# Altium PCB nanoga_mezzanine.PcbDoc (part 2 of 3) (continued)
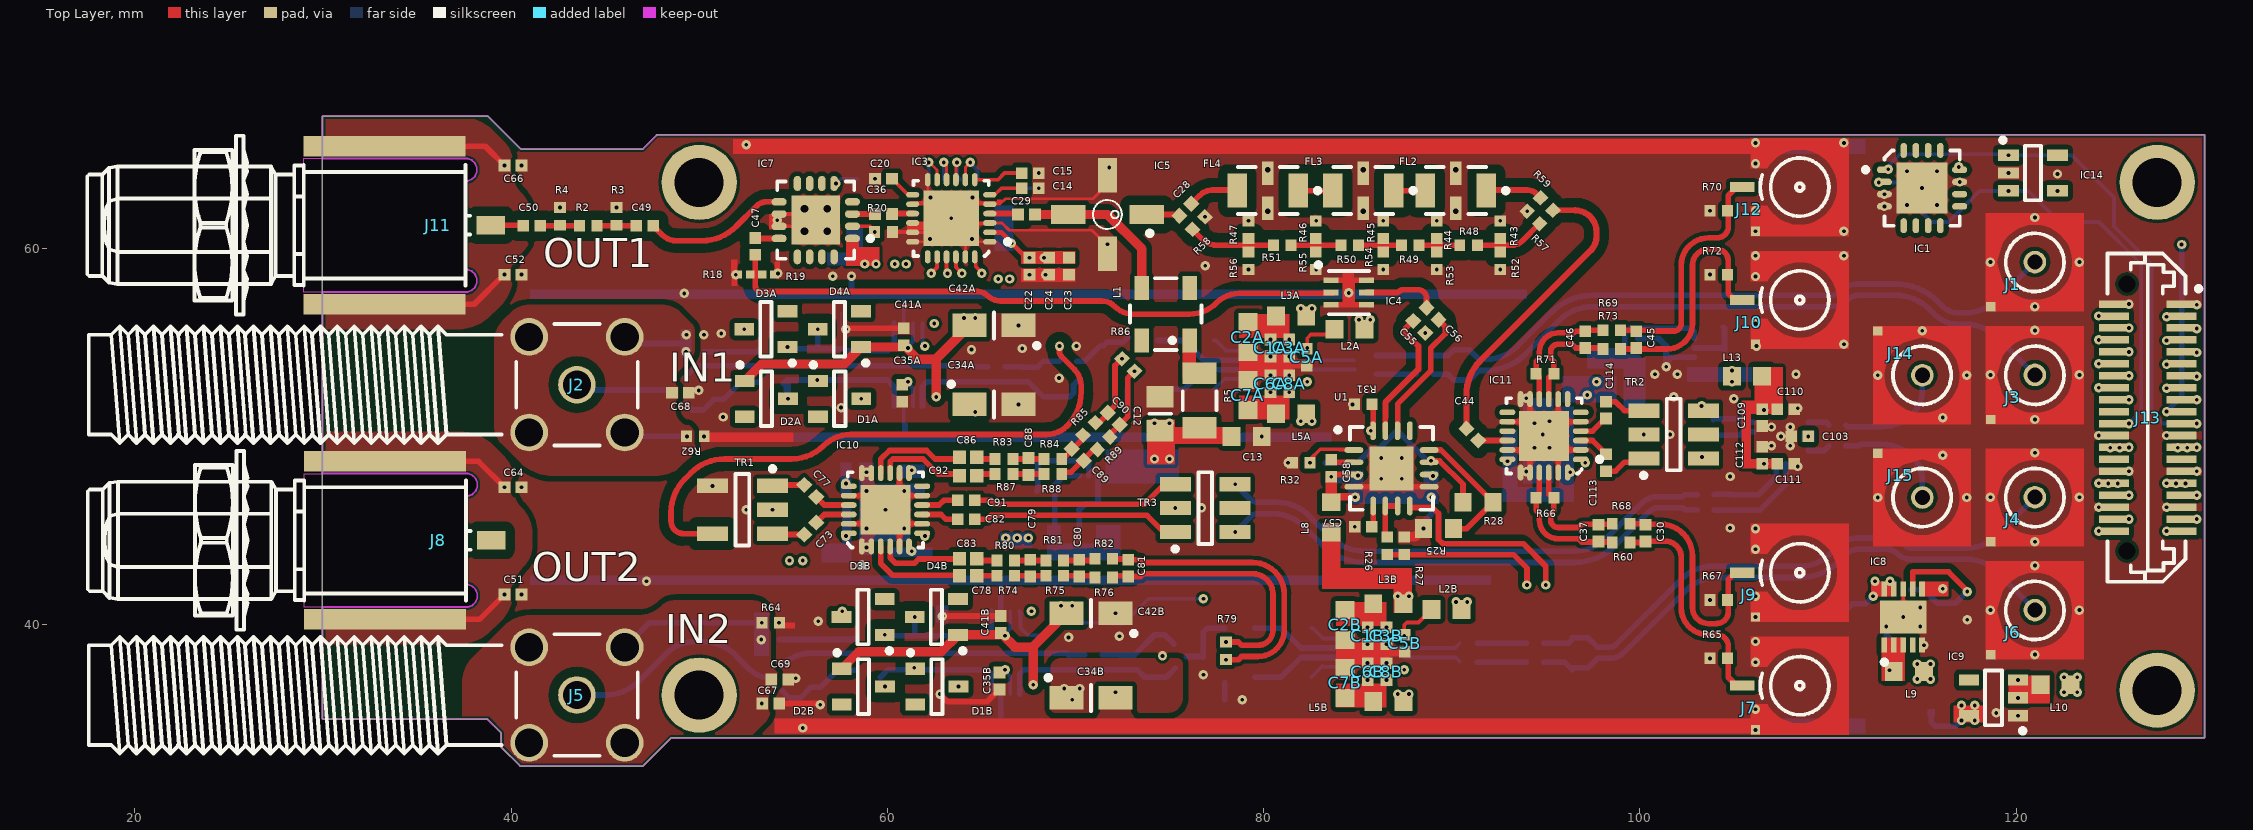
[diagram p0: Top Layer view]
## Nets (pads, with @x,y where several pads share a name; then routed paths per layer and width w, separated by ;. In a path a pad name is that pad's centre, name@x,y a point inside that pad or via, vN(x,y) a via of type N, cw(c..) or ccw(c..) an arc to the next point about the centre after c; other vN are vias at no path point) (continued)
  Bottom Layer w0.33: IC15.11@70.2,46.1 70.5,46.4 IC15.11@71.2,46.4 71.2,47.3 ; v1(88.5,45.1) 88.464,45.136 88.464,45.419 C59.1@88.915,45.871 ; IC12.11@101,55.2 101.4,54.8 IC12.11@101.4,53.9 ; IC12.11@101.4,53.8 IC12.11@101.4,53.9 ; IC12.11@101.7,54.2 IC12.11@101.4,53.9
  other v1: 106.15,34.4 55.5,34.5 120.1,35.15 118.95,35.3 106.15,35.5 78.87,36 55.134,37.147 76.8,37.33 85.53,37.95 86.53,37.95 106.15,38 103.73,38.2 74.628,38.332 121,38.4 115.1,38.9 85.53,38.95 86.53,38.95 106.15,39.1 69.636,39.316 72.336,39.371 114.9,39.9 54.24,40.1 56.33,40.17 117.4,40.25 106.15,40.4 72.13,40.6 118.633,40.767 123.367,40.767 114.9,40.9 103.73,41.3 106.15,41.5 40.55,41.6 47.2,42.3 121,43.133 106.15,44 58.9,44.1 121,44.4 58.9,45.1 60.9,45.1 106.15,45.1 104.8,45.13 84.85,45.2 52.5,46.1 76.7,46.2 124.4,46.238 128,46.238 112.65,46.75 117.383,46.75 118.633,46.767 123.367,46.767 58.9,47.1 60.9,47.1 40.55,47.3 50.71,47.37 86.25,47.75 104.8,47.87 58.9,48.1 93.96,48.13 126,48.143 129.6,48.143 108.4,48.4 81.3,48.6 86.25,48.85 87.35,48.85 116.1,49 121,49.133 94.4,49.4 95.2,49.4 107,49.5 108,49.5 50.25,50 79.9,50 107.5,50 124.4,50.048 128,50.048 101.6,50.1 107,50.5 108,50.5 94.4,50.7 95.2,50.8 121,50.9 116.1,51 51.27,51.03 108.4,51.5 57.541,51.53 66.97,51.7 84.73,51.7 105,52 93.96,52.03 101.8,52.1 49.974,52.447 69.13,53.1 80.37,53.25 81.37,53.25 112.65,53.25 117.383,53.25 118.633,53.267 123.367,53.267 100.8,53.3 102,53.3 108.3,53.3 101.4,53.7 80.37,54.25 81.37,54.25 64.476,54.616 67.176,54.671 70.05,54.8 106.2,54.8 110.85,54.9 50.25,55.4 51.17,55.47 88.6,55.5 115.017,55.617 121,55.633 66.97,55.9 106.15,56 121,56.9 129.6,57 126,57.033 49.2,57.6 84.525,57.625 106.15,58.5 57.097,58.515 40.555,58.6 51.945,58.597 67.558,58.595 68.408,58.595 103.73,58.6 54.185,58.665 79.197,58.87 82.797,58.87 86.363,58.87 89.2,58.87 92.575,58.87 76.897,59.065 118.633,59.267 123.367,59.267 106.15,59.6 110.85,59.6 71.697,60.21 62.272,60.495 64.497,60.495 106.15,60.9 110.85,60.9 79.197,61.46 82.797,61.46 86.363,61.46 89.2,61.46 92.575,61.46 54.147,61.495 121,61.633 76.883,61.674 94.011,61.974 103.73,62 106.15,62 42.6,62.165 45.6,62.165 113,62.225 114.2,62.3 115.8,62.3 113,62.875 115,63.2 117,63.525 59.347,63.695 122.2,63.95 68.047,63.995 119.6,64 114.2,64.1 115.8,64.1 71.797,64.295 40.55,64.4 106.15,64.5 52.5,65.5 106.15,65.6 110.85,65.6
  other v2: 80.222,61.96 85.297,61.96 90.222,61.96 80.222,64.17 85.297,64.17 90.222,64.17
  other v3: 55.597,60.895 56.797,60.895 55.597,62.095 56.797,62.095
IBB_N: C37.1 IC11.22 R66.1 R68.2 | length 6
  Top Layer w0.3: R66.1@95.16,46.92 IC11.22@95.16,48.08 ; R66.1@95.43,46.73 95.43,46.07 95.26,45.9 95.26,45.56 ccw(c95.66,45.56) 95.66,45.16 96.734,45.16 96.904,45.33 98.504,45.33 R68.2@98.534,45.36
IBB_P: C37.2 IC11.21 R60.2 R66.2 | length 7
  Top Layer w0.3: R66.2@94.49,46.73 94.49,46.07 94.66,45.9 94.66,45.56 ccw(c95.66,45.56) 95.66,44.56 96.74,44.56 96.904,44.396 96.904,44.39 98.504,44.39 R60.2@98.534,44.36 ; R66.2@94.66,46.9 IC11.21@94.66,48.08
IH_N: R13B.1 R24B.2 R96.2 | length 0.9
  Bottom Layer w0.3: R24B.2@77.93,36 R13B.1@77.93,36.9
IH_P: R8B.1 R9B.1 R16B.2 R93.2 | length 3.4
  Bottom Layer w0.3: R8B.1@75.895,38.3 R16B.2@76.8,38.3 ; R16B.2@76.8,38.27 R16B.2@76.8,38.3 ; R93.2@77.93,39.8 77,39.8 76.8,39.6 R16B.2@76.8,38.3
IHI_N: C81.1 R79.1 R82.2 R96.1 | length 15.9
  Top Layer w0.3: R82.2@72.055,43.485 C81.1@72.8,43.485 ; C81.1@72.8,43.45 73.46,43.45 73.61,43.3 79.405,43.3 cw(c79.405,41.605) 81.1,41.605 81.1,39.7 cw(c79.7,39.7) 79.7,38.3 78.83,38.3 78.66,38.13 v1(78,38.13)
IHI_P: C81.2 R76.2 R79.2 R93.1 | length 14.1
  Top Layer w0.3: R76.2@71.97,42.6 C81.2@72.8,42.6 ; C81.2@72.8,42.55 73.46,42.55 73.61,42.7 79.405,42.7 cw(c79.405,41.605) 80.5,41.605 80.5,39.7 cw(c79.7,39.7) 79.7,38.9 78.83,38.9 78.66,39.07 v1(78,39.07)
LO0_N: C105.2 TR2.6
  other v1: 103.3,48.9
LO0_P: C102.2 TR2.4
  other v1: 103.282,51.618
LO1_N: C108.2 TR3.6 | length 26.9
  Bottom Layer w0.3: v1(78.49,44.92) 79.291,45.72 cw(c79.7,45.311) 79.7,45.89 80.486,45.89 cw(c80.486,43.534) 82.151,45.2 83.132,44.22 ccw(c85.352,46.44) 85.352,43.3 96.499,43.3 ccw(c96.499,46.44) 98.72,44.22 100.5,46 cw(c100.983,45.517) 100.983,46.2 102.29,46.2 102.39,46.1 C108.2@103.05,46.1
LO1_P: C107.2 TR3.4 | length 27.1
  Bottom Layer w0.3: v1(78.49,47.46) 79.291,46.66 ccw(c79.7,47.069) 79.7,46.49 80.734,46.49 cw(c80.734,44.134) 82.268,45.922 ; 82.4,45.8 ccw(c80.734,44.134) 82.268,45.922 ; C107.2@103.05,46.9 102.39,46.9 102.29,46.8 100.983,46.8 ccw(c100.983,45.517) 100.076,46.424 98.295,44.644 cw(c96.499,46.44) 96.499,43.9 85.352,43.9 cw(c85.352,46.44) 83.556,44.644 82.42,45.78 ccw(c80.199,43.56) 82.268,45.922
LO_TRO_N: C114.1 TR2.3 | length 2.2
  Top Layer w0.3: C114.1@98.2,51.85 98.71,51.85 98.71,51.845 99.185,51.37 TR2.3@100.21,51.37
LO_TRO_P: C113.1 TR2.1 | length 2.2
  Top Layer w0.3: C113.1@98.2,48.15 98.71,48.15 98.71,48.155 99.185,48.63 TR2.1@100.21,48.63
LOI_DEMOD_N: C91.2 IC10.10 | length 2
  Top Layer w0.3: IC10.10@61.85,46.35 62.75,46.35 63,46.6 C91.2@63.75,46.6
LOI_DEMOD_P: C82.2 IC10.9 | length 2
  Top Layer w0.3: IC10.9@61.85,45.85 62.85,45.85 63.1,45.6 C82.2@63.75,45.6
LOI_N: C106.2 IC13.4 | length 1.2
  Bottom Layer w0.3: IC13.4@108.95,49.25 109.8,49.25 C106.2@110.05,49.5
LOI_P: C104.2 IC13.1 | length 1.2
  Bottom Layer w0.3: IC13.1@108.95,50.75 109.9,50.75 C104.2@110.05,50.6
LOIMOD_N: C114.2 IC11.4 | length 1.5
  Top Layer w0.3: IC11.4@96.86,50.28 97.484,50.28 98.1,50.896 C114.2@98.1,50.95
LOIMOD_P: C113.2 IC11.3 | length 1.5
  Top Layer w0.3: IC11.3@96.86,49.78 97.484,49.78 C113.2@98.1,49.164
LOITR_N: C91.1 TR3.3 | length 11.2
  Top Layer w0.3: C91.1@64.65,46.6 65.49,46.6 65.69,46.4 73.679,46.4 74.739,47.46 TR3.3@75.31,47.46
LOITR_P: C82.1 TR3.1 | length 11.3
  Top Layer w0.3: C82.1@64.65,45.6 65.31,45.6 65.51,45.8 73.8,45.8 74.9,44.7 75.09,44.7 TR3.1@75.31,44.92
LOM_N: C106.1 J15.1 R17.1 | length 6
  Bottom Layer w0.3: C106.1@110.95,49.5 111.67,49.5 R17.1@111.75,49.58 112.858,49.58 cw(c112.858,47.258) 114.5,48.9 cw(c113.253,47.653) 115.017,47.653 J15.1@115.017,46.85 ; J15.1@115,46.79 ccw(c115.056,46.79) J15.1@115.017,46.75
LOM_P: C104.1 J14.1 R17.2 | length 6
  Bottom Layer w0.3: C104.1@110.95,50.6 111.03,50.52 R17.2@111.75,50.52 112.858,50.52 ccw(c112.858,52.842) 114.5,51.2 ccw(c113.253,52.447) 115.017,52.447 J14.1@115.017,53.25 ccw(c115.056,53.21) J14.1@115,53.21
MEZZ_IO4: IC6A.5 J13.7 | length 70.7
  MidLayer2 w0.17: v1(62.5,56) 62.5,55.836 64.836,53.5 68.843,53.5 69.043,53.7 69.892,53.7 70.092,53.5 70.6,53.5 75.4,58.3 103.341,58.3 104.526,57.116 109.484,57.116 110.2,56.4 116.5,56.4 117.778,55.122 122.522,55.122 123.2,55.8 125.163,55.8 125.868,55.095 v1(128,55.095)
MEZZ_IO5: IC6A.4 J13.8 | length 68.3
  MidLayer2 w0.17: v1(62,54.8) 64.502,52.298 73.398,52.298 78.7,57.6 83.4,57.6 84.1,56.9 103.7,56.9 105.1,55.5 114.1,55.5 114.843,54.757 115.641,54.757 115.698,54.7 120.302,54.7 120.376,54.774 121.624,54.774 121.698,54.7 123,54.7 123.428,55.128 v1(124.4,55.128)
  Bottom Layer w0.2: v1@61.87,54.73 IC6A.4@61.87,56
MEZZ_IO8: IC6B.5 J13.11 | length 72.9
  MidLayer2 w0.17: v1(67.66,40.7) 68.495,41.535 73.13,41.535 73.465,41.2 75.944,41.2 77.101,42.357 91.198,42.357 92.433,41.122 101.932,41.122 103.167,42.357 111.277,42.357 112.125,43.205 117.555,43.205 118.114,42.646 125.946,42.646 126.9,43.6 126.9,52.725 v1(128,53.825)
MEZZ_IO9: IC10.7 J13.12 R78.1 | length 68.3
  MidLayer2 w0.17: v1(62,44.7) 65.2,47.9 76.1,47.9 78,46 98.9,46 104.313,51.413 105.313,51.413 106.3,52.4 114.191,52.4 114.526,52.065 123.065,52.065 124.4,53.4 v1(124.4,53.858)
MEZZ_IO10: IC6B.4 J13.13 | length 75.5
  MidLayer2 w0.17: v1(76.8,41.368) 76.8,41.4 77.435,42.035 91.065,42.035 92.3,40.8 102.065,40.8 103.3,42.035 111.478,42.035 112.278,42.835 113.522,42.835 113.527,42.83 117.12,42.83 117.626,42.324 126.224,42.324 127.3,43.4 127.3,50.104 127.778,50.583 128.383,50.583 129.065,51.265 129.065,52.665 129.59,53.19 v1(129.6,53.19)
  Bottom Layer w0.2: IC6B.4@67.03,40.7 67.08,40.65 67.08,39.826 67.476,39.43 68.232,39.43 68.902,40.1 71.852,40.1 71.902,40.05 72.55,40.05 73.868,41.368 v1(76.8,41.368)
MEZZ_IO11: J13.14
  other v1: 126,53.223
MEZZ_IO12: J13.15
  other v1: 128,52.555
MEZZ_IO13: J13.16
  other v1: 124.4,52.588
MEZZ_IO14: J13.17
  other v1: 129.6,51.953
MEZZ_IO15: J13.18
  other v1: 126,51.953
NetC1A_2: C1A.2 C2A.2 C3A.2 IC2A.5 IC2A.6 IC2A.7 IC2A.8 IC2A.12 L3A.1 | length 9.1
  MidLayer2 w0.5: v1(81.37,55.15) v1(80.37,55.15) 79.55,55.15 79.3,54.9 79.3,52.3 80,51.6 81.8,51.6 82.32,52.12 v1(82.32,52.9)
NetC1B_2: C1B.2 C2B.2 C3B.2 IC2B.5 IC2B.6 IC2B.7 IC2B.8 IC2B.12 L3B.1 | length 6.6
  MidLayer2 w0.5: v1(85.53,39.85) v1(86.53,39.85) 87.008,39.85 87.31,40.152 88.65,40.152 89.032,39.77 89.032,39.23 87.48,37.678 v1(87.48,37.6)
NetC4A_1: C4A.1 R21A.2 R42A.2 | length 2.1
  Bottom Layer w0.3: R21A.2@86,53.3 R42A.2@88.1,53.3
NetC4A_2: C4A.2 R10A.2 R40A.2 | length 2.1
  Bottom Layer w0.3: R10A.2@86,54.3 R40A.2@88.1,54.3
NetC4B_1: C4B.1 R21B.2 R42B.2 | length 2.6
  Bottom Layer w0.3: R21B.2@91.36,38 R42B.2@93.96,38
NetC4B_2: C4B.2 R10B.2 R40B.2 | length 2.6
  Bottom Layer w0.3: R10B.2@91.36,39 R40B.2@93.96,39
NetC5A_2: C5A.2 IC2A.9 L2A.2 | length 2.5
  Top Layer w0.2: C5A.2@82.32,54.8 82.32,55.22 82.51,55.41 83.61,55.41 83.77,55.57 L2A.2@83.77,55.7 L2A.2@83.77,56.1
  other v1: 82.32,54.7
NetC5B_2: C5B.2 IC2B.9 L2B.2 | length 2.3
  Top Layer w0.2: C5B.2@87.48,39.5 87.48,39.98 87.61,40.11 88.24,40.11 L2B.2@88.93,40.8
  other v1: 87.48,39.4
NetC6A_2: C6A.2 C7A.2 C8A.2 IC2A.13 IC2A.14 IC2A.15 IC2A.16 L5A.2
  other v1: 80.37,52.35 81.37,52.35
NetC6B_2: C6B.2 C7B.2 C8B.2 IC2B.13 IC2B.14 IC2B.15 IC2B.16 L5B.2
  other v1: 85.53,37.05 86.53,37.05
NetC9A_2: C9A.2 C31A.2 D1A.1 D2A.3 IC6A.10 R33A.2 | length 8.2
  Bottom Layer w0.3: R33A.2@54.47,52.8 R33A.2@54.67,53 ; v1(54.72,52) 54.72,52.8 54.72,52.95 R33A.2@54.67,53 ; IC6A.10@60.37,51.6 60.37,52.63 60,53 v1(56.27,53) R33A.2@54.67,53
NetC9B_2: C9B.2 C31B.2 D1B.1 D2B.3 IC6B.10 R33B.2 | length 7.2
  Bottom Layer w0.3: R33B.2@59.63,37.2 60.03,37.6 65.3,37.6 65.53,37.37 IC6B.10@65.53,36.3
  other v1: 59.88,36.7 61.43,37.7
NetC14_2: C14.2 IC3.6 | length 1.8
  Top Layer w0.2: IC3.6@65.447,62.845 65.714,62.845 66.064,63.195 C14.2@67.147,63.195
NetC15_2: C15.2 IC3.7 | length 2.6
  Top Layer w0.2: IC3.7@64.647,63.645 65.877,63.645 66.227,63.995 C15.2@67.147,63.995
NetC16_2: C16.2 IC3.8 | length 2.1
  Top Layer w0.152: IC3.8@64.147,63.645 64.147,64.308 v1(64.404,64.565)
  Bottom Layer w0.2: v1(64.404,64.565) 64.404,64.548 64.797,64.155 C16.2@64.797,63.645
NetC17_2: C17.2 IC3.9 | length 1.9
  Top Layer w0.152: IC3.9@63.647,63.645 v1@63.647,64.565
  Bottom Layer w0.2: v1(63.697,64.565) 63.697,63.845 C17.2@63.897,63.645
NetC18_2: C18.2 IC3.10 | length 1.9
  Top Layer w0.152: v1(62.997,64.565) 63.147,64.415 IC3.10@63.147,63.645
  Bottom Layer w0.2: C18.2@62.997,63.645 v1(62.997,64.565)
NetC19_2: C19.2 IC3.11 | length 2.1
  Top Layer w0.152: v1(62.197,64.565) 62.235,64.565 62.647,64.153 IC3.11@62.647,63.645
  Bottom Layer w0.2: C19.2@62.097,63.645 62.197,63.745 v1(62.197,64.565)
NetC20_2: C20.2 IC3.13 | length 1.5
  Top Layer w0.2: C20.2@60.247,63.695 61.097,62.845 IC3.13@61.347,62.845
NetC21_2: C21.2 C22.2 C23.2 C24.2 IC3.2 L7.2 | length 2.5
  Top Layer w0.254: IC3.2@65.447,60.845 66.047,60.845 C22.2@67.397,59.495
  other v1: 67.558,59.495 68.333,59.495 66.597,60.265
NetC25_2: C25.2 IC8.1 IC8.2 IC8.3 IC8.6 L9.2 | length 8.3
  MidLayer2 w0.17: v1(113.275,37.575) 113.325,37.575 114.335,36.565 115.672,36.565 116.1,36.993 v1(116.1,41.9)
NetC26_2: C26.2 IC8.7 R39.2 | length 7.8
  Top Layer w0.3: IC8.7@114.5,41.9 114.5,42.8 116.416,42.8 117.4,41.816 v1(117.4,41.75)
  Bottom Layer w0.3: R39.2@114.4,41.85 115.1,41.85 115.816,41.134 116.784,41.134 v1(117.4,41.75)
NetC27_2: C27.2 IC9.2 IC9.3 L10.2
  other v1: 120.1,36.1 120.1,37.05
NetC28_1: C28.1 FL4.3 | length 2.7
  Top Layer w0.3: C28.1@76.162,62.367 76.595,62.8 ; 76.596,62.8 cw(c77.307,62.088) 77.307,63.095 FL4.3@78.597,63.095
NetC28_2: C28.2 IC5.1 | length 2.1
  Top Layer w0.3: IC5.1@73.647,61.73 73.847,61.73 IC5.1@73.782,61.795 75.461,61.795 C28.2@75.526,61.73
NetC29_1: C29.1 IC5.3 L1.3 | length 8.5
  Top Layer w0.5: C29.1@67.847,61.795 IC5.3@69.612,61.795 71.705,61.795 73.53,59.97 L1.3@73.53,57.894
NetC29_2: C29.2 IC3.4 | length 1.4
  Top Layer w0.3: IC3.4@65.447,61.845 C29.2@66.897,61.845
NetC31A_1: C31A.1 C33A.2 D3A.1 D4A.3 IC6A.1 R36A.2 | length 8
  Bottom Layer w0.3: R36A.2@54.72,54.65 R36A.2@54.82,54.55 ; R36A.2@54.82,54.65 56.3,54.65 ; v1(56.3,55.7) 56.3,54.65 ; IC6A.1@60.37,56 60.37,54.9 60.02,54.55 57.77,54.55 57.67,54.65 56.3,54.65
  other v1: 54.7,54.75
NetC31B_1: C31B.1 C33B.2 D3B.1 D4B.3 IC6B.1 R36B.2 | length 7.9
  Bottom Layer w0.3: R36B.2@59.88,39.35 59.93,39.4 61.46,39.4 ; v1(61.46,40.4) 61.46,39.4 ; IC6B.1@65.53,40.7 65.53,39.6 65.33,39.4 61.46,39.4
  other v1: 59.86,39.45
NetC36_1: C36.1 IC3.15 | length 1.1
  Top Layer w0.3: C36.1@60.247,61.82 60.272,61.845 IC3.15@61.347,61.845
NetC36_2: C36.2 IC7.3 | length 1.2
  Top Layer w0.3: IC7.3@58.147,61.82 C36.2@59.347,61.82
NetC38_1: C38.1 C39.2 C40.2 IC7.1 L6.1
  other v1: 58.797,59.165 59.397,59.165
NetC44_1: C44.1 IC11.16 | length 1.4
  Top Layer w0.3: C44.1@91.61,49.78 IC11.16@92.96,49.78
  Top Layer w0.33: C44.1@91.56,49.73 C44.1@91.61,49.78
NetC47_1: C47.1 IC7.12 | length 1.3
  Top Layer w0.3: C47.1@52.975,60.547 53.002,60.52 IC7.12@54.247,60.52
NetC49_1: C49.1 IC7.9 | length 7.7
  Top Layer w0.3: C49.1@47.55,61.195 48.023,60.722 ccw(c48.8,61.499) 48.8,60.4 50.148,60.4 ccw(c50.148,62.94) 51.944,61.144 53.039,62.239 cw(c53.597,61.68) 53.597,62.47 IC7.9@54.247,62.47
NetC49_2: C49.2 R2.1 R3.2 | length 2.1
  Top Layer w0.3: R2.1@44.57,61.195 C49.2@46.65,61.195
NetC50_1: C50.1 R2.2 R4.2 | length 2.1
  Top Layer w0.3: C50.1@41.55,61.195 R2.2@43.63,61.195
NetC51_2: C51.2 C64.1 J8.2 R61.2 | length 13.8
  Top Layer w0.3: J8.2@33.3,40.274 38.324,40.274 v1(39.65,41.6) ; J8.2@33.3,48.674 38.276,48.674 v1(39.65,47.3)
NetC52_2: C52.2 C66.1 J11.2 R63.2 | length 13.8
  Top Layer w0.3: J11.2@33.275,57.025 38.04,57.025 C52.2@39.615,58.6 ; J11.2@33.275,65.425 38.625,65.425 v1(39.65,64.4)
  other v1: 39.65,58.6
NetC55_2: C55.2 U1.15 | length 7.1
  Top Layer w0.3: U1.15@86.475,50.3 86.475,51.012 ; C55.2@87.893,56.207 87.893,56.136 87.893,56.098 87.532,55.737 87.532,55.491 88.233,54.79
  Top Layer w0.33: 86.475,51.012 86.475,51.803 88.233,53.561 88.233,54.79
NetC56_1: C56.1 IC4.5 | length 4
  Top Layer w0.3: IC4.5@85.475,57.65 87.079,57.65 ccw(c87.079,57.821) 87.2,57.7 cw(c87.441,57.459) 87.441,57.8 88.2,57.8 cw(c88.2,57.336) 88.664,57.336 C56.1@88.664,56.836
NetC56_2: C56.2 U1.14 | length 7.2
  Top Layer w0.3: U1.14@87.125,50.3 87.125,51.725 88.883,53.483 88.883,53.825 88.883,54.683 89.672,55.472 89.672,55.828 C56.2@89.3,56.2 C56.2@89.229,56.271
NetC57_1: C57.1 U1.5 | length 1.1
  Top Layer w0.3: C57.1@85.75,45.2 ccw(c85.569,45.381) 85.825,45.381 U1.5@85.825,46.3
NetC58_1: C58.1 C59.2 C60.2 C61.1 C62.1 L8.1 U1.3 U1.10 | length 1.1
  Top Layer w0.3: C58.1@83.66,47.975 U1.3@84.8,47.975
  other v1: 84.865,46.771 88.915,46.771 83.6,47.85 89,47.9 85.015,47.921
NetC58_2: C58.2 U1.2 | length 1.2
  Top Layer w0.3: C58.2@83.6,48.65 ccw(c83.66,48.71) 83.66,48.625 U1.2@84.8,48.625
NetC74_2: C74.2 TR1.4 | length 31
  Top Layer w0.3: TR1.4@50.71,44.83 49.17,44.83 cw(c49.17,45.5) 48.5,45.5 48.5,45.948 cw(c51.04,45.948) 48.7,46.936 cw(c51.04,45.948) 49.244,47.744 49.556,48.056 cw(c51.352,46.26) 51.352,48.8 54.91,48.8 ccw(c54.91,51.19) 56.6,49.5 cw(c58.049,48.051) 58.049,50.1 68.455,50.1 ccw(c68.455,51.657) 69.556,50.556 ccw(c67.76,52.352) 70.3,52.352 70.3,52.7 ccw(c69.093,52.7) 69.946,53.554 69.256,54.244 cw(c69.512,54.5) 69.15,54.5 v1(69.15,54.8)
NetC75_1: C75.1 TR1.2
  other v1: 53.89,46.1
NetC78_1: C78.1 IC10.3 | length 5.6
  Top Layer w0.3: IC10.3@59.65,44.15 59.65,43.25 60.282,42.618 C78.1@63.822,42.618 ; C78.1@63.64,42.8 C78.1@63.822,42.618 ; C78.1@63.84,42.6 C78.1@63.822,42.618 ; C78.1@63.84,42.618 C78.1@63.822,42.618
NetC78_2: C78.2 R74.1 | length 1
  Top Layer w0.3: C78.2@64.76,42.6 R74.1@65.73,42.6
NetC79_1: C79.1 R80.2 R81.1 | length 1.7
  Top Layer w0.3: R80.2@66.67,43.4 R81.1@68.33,43.4
NetC79_2: C79.2 R74.2 R75.1 | length 1.7
  Top Layer w0.3: R74.2@66.67,42.6 R75.1@68.33,42.6
NetC80_1: C80.1 R81.2 R82.1 | length 1.8
  Top Layer w0.3: R81.2@69.27,43.4 R82.1@71.03,43.4
NetC80_2: C80.2 R75.2 R76.1 | length 1.8
  Top Layer w0.3: R75.2@69.27,42.6 R76.1@71.03,42.6
NetC83_1: C83.1 IC10.4 | length 4.5
  Top Layer w0.3: IC10.4@60.15,44.15 60.15,43.55 60.448,43.252 61.433,43.252 61.663,43.482 C83.1@63.84,43.482
NetC83_2: C83.2 R80.1 | length 1
  Top Layer w0.3: C83.2@64.76,43.4 R80.1@65.73,43.4
NetC84_2: C84.2 IC15.1 IC15.2 IC15.3 IC15.6 L14.2 | length 3.9
  Bottom Layer w0.3: 68.85,45 68.9,45.05 68.9,47.4 69.4,47.9 IC15.6@70.2,47.9
NetC85_1: C85.1 TR3.2
  other v1: 75.31,46.19
NetC86_1: C86.1 IC10.16 | length 5.3
  Top Layer w0.3: IC10.16@59.65,48.05 59.65,48.789 60.113,49.252 62.087,49.252 62.539,48.8 C86.1@63.84,48.8
NetC86_2: C86.2 R83.1 | length 1
  Top Layer w0.3: C86.2@64.76,48.8 R83.1@65.73,48.8
NetC87_2: C87.2 IC15.7 R100.2 | length 5.1
  Bottom Layer w0.3: C87.2@67.95,47.1 68,47.15 R100.2@68,48.7 70.6,48.7 70.7,48.6 IC15.7@70.7,47.9
NetC88_1: C88.1 R87.2 R88.1 | length 1.7
  Top Layer w0.3: R87.2@66.67,48 R88.1@68.33,48
NetC88_2: C88.2 R83.2 R84.1 | length 1.7
  Top Layer w0.3: R83.2@66.67,48.8 R84.1@68.33,48.8
NetC89_1: C89.1 R88.2 R89.1 | length 2.2
  Top Layer w0.3: R88.2@69.4,48.1 69.766,48.1 R89.1@71.063,49.397
NetC89_2: C89.2 R84.2 R85.1 | length 1.8
  Top Layer w0.3: R84.2@69.252,48.718 R85.1@70.497,49.963
NetC92_1: C92.1 IC10.15 | length 4.7
  Top Layer w0.3: IC10.15@60.15,48.05 60.15,48.65 60.3,48.8 61.9,48.8 62.7,48 C92.1@63.84,48
NetC92_2: C92.2 R87.1 | length 1
  Top Layer w0.3: C92.2@64.76,48 R87.1@65.73,48
NetC100_2: C100.2 IC12.1 IC12.2 IC12.3 IC12.6 L12.2 | length 6.3
  Bottom Layer w0.3: IC12.3@99.9,54.2 99.137,54.2 99.198,54.261 99.198,55.475 99.465,55.742 102.723,55.742 102.9,55.565 IC12.6@102.9,55.2
NetC101_2: C101.2 IC12.7 R91.2 | length 2.9
  Bottom Layer w0.3: IC12.7@102.9,54.7 104.4,54.7 R91.2@104.5,54.6 104.5,55.75 C101.2@104.45,55.8
NetC103_2: C103.2 IC13.2 IC13.3
  other v1: 108.95,50
NetC109_2: C109.2 C110.2 C111.2 C112.2 IC13.8 IC13.13 L13.2
  other v1: 106.6,48.55 106.6,51.4
NetC116_1: C116.1 TR2.2
  other v1: 100.21,50.1
NetFL2_1: FL2.1 R59.2 | length 3
  Top Layer w0.3: FL2.1@91.847,63.095 94.029,63.095 cw(c94.029,62.429) 94.499,62.9 R59.2@94.719,62.681
NetFL2_3: FL2.3 FL3.1 | length 1.7
  Top Layer w0.3: FL3.1@86.922,63.065 88.567,63.065 FL2.3@88.597,63.095
NetFL3_3: FL3.3 FL4.1 | length 1.8
  Top Layer w0.3: FL4.1@81.847,63.065 FL3.3@83.672,63.065
NetIC2A_1: IC2A.1 R22A.2 | length 2.3
  Bottom Layer w0.2: R22A.2@77.37,52.5 77.961,53.091 78.003,53.05 IC2A.1@79.42,53.05
NetIC2A_2: IC2A.2 R13A.2 R22A.1 | length 5.5
  Bottom Layer w0.3: R13A.2@74.37,52.5 R22A.1@75.77,52.5 76.82,53.55 IC2A.2@79.42,53.55
NetIC2A_3: IC2A.3 R1A.1 R9A.2 | length 5.5
  Bottom Layer w0.3: R9A.2@74.37,55.1 R1A.1@75.77,55.1 76.82,54.05 IC2A.3@79.42,54.05
NetIC2A_4: IC2A.4 R1A.2 | length 2.3
  Bottom Layer w0.2: R1A.2@77.37,55.1 77.47,55.1 78.011,54.559 78.003,54.55 IC2A.4@79.42,54.55
NetIC2A_10: IC2A.10 R10A.1 R41A.1 | length 2.5
  Bottom Layer w0.2: IC2A.10@82.32,54.05 R10A.1@84.82,54.05
NetIC2A_11: IC2A.11 R21A.1 R41A.2 | length 2.5
  Bottom Layer w0.2: IC2A.11@82.32,53.55 R21A.1@84.85,53.55
NetIC2B_1: IC2B.1 R22B.2 | length 2.3
  Bottom Layer w0.2: R22B.2@82.53,37.2 83.121,37.791 83.163,37.75 IC2B.1@84.58,37.75
NetIC2B_2: IC2B.2 R13B.2 R22B.1 | length 5.5
  Bottom Layer w0.3: R13B.2@79.53,37.2 R22B.1@80.93,37.2 81.98,38.25 IC2B.2@84.58,38.25
NetIC2B_3: IC2B.3 R1B.1 R9B.2 | length 5.5
  Bottom Layer w0.3: R9B.2@79.53,39.8 R1B.1@80.93,39.8 81.98,38.75 IC2B.3@84.58,38.75
NetIC2B_4: IC2B.4 R1B.2 | length 2.3
  Bottom Layer w0.2: R1B.2@82.53,39.8 82.63,39.8 83.171,39.259 83.163,39.25 IC2B.4@84.58,39.25
NetIC2B_10: IC2B.10 R10B.1 R41B.1 | length 3.1
  Bottom Layer w0.2: IC2B.10@87.48,38.75 90.18,38.75 R10B.1@90.43,39
NetIC2B_11: IC2B.11 R21B.1 R41B.2 | length 3
  Bottom Layer w0.2: IC2B.11@87.48,38.25 90.21,38.25 R21B.1@90.43,38.03
NetIC6A_7: IC6A.7 R12A.1 | length 10.4
  Bottom Layer w0.3: IC6A.7@61.87,51.6 61.87,52.67 62.1,52.9 67.5,52.9 68.3,52.1 69.7,52.1 69.9,52.3 69.9,52.735 R12A.1@70.132,52.968
NetIC6B_7: IC6B.7 R12B.1 | length 9.8
  Bottom Layer w0.3: IC6B.7@67.03,36.3 67.03,37.37 67.26,37.6 73.28,37.6 73.68,37.2 74.825,37.2 R12B.1@75.292,37.668
NetIC7_5: IC7.5 R23.2 | length 1.2
  Bottom Layer w0.2: v1(57.272,63.445) 57.522,63.695 R23.2@58.417,63.695
NetIC10_19: IC10.19 R77.1 R90.2
  other v1: 57.8,47.5
NetL1_1: L1.1 R5.2
NetR6A_2: R6A.2 R7A.1 R14A.2 | length 16.4
  Bottom Layer w0.3: R6A.2@49.232,53.132 49.85,53.75 64.403,53.75 R14A.2@64.453,53.7 ; R14A.2@64.476,53.676 R14A.2@64.453,53.7 ; R7A.1@65.33,53.7 R14A.2@64.453,53.7
NetR6B_2: R6B.2 R7B.1 R14B.2 | length 16.3
  Bottom Layer w0.3: R6B.2@54.392,37.832 cw(c55.944,36.281) 54.394,37.834 cw(c55.944,36.281) 55.944,38.475 69.538,38.475 R14B.2@69.613,38.4 ; R14B.2@69.636,38.376 R14B.2@69.613,38.4 ; R7B.1@70.49,38.4 R14B.2@69.613,38.4
NetR7A_2: R7A.2 R8A.2 R15A.2 | length 3
  Bottom Layer w0.3: R7A.2@66.27,53.7 67.153,53.7 R15A.2@67.176,53.676 67.976,53.676 68.3,54 R8A.2@69.13,54
NetR7B_2: R7B.2 R8B.2 R15B.2 | length 4.5
  Bottom Layer w0.3: R7B.2@71.43,38.4 72.313,38.4 R15B.2@72.336,38.376 73.136,38.376 74.215,39.455 74.74,39.455 R8B.2@75.23,38.965
NetR11A_1: R11A.1 R33A.1 R34A.2 | length 4.7
  Bottom Layer w0.3: R11A.1@49.268,51.768 49.635,51.4 50.22,51.4 50.79,51.97 R34A.2@51.3,51.97 52.2,52.87 53.14,52.87 R33A.1@53.17,52.9
NetR11B_1: R11B.1 R33B.1 R34B.2 | length 4.6
  Bottom Layer w0.3: R11B.1@54.428,36.468 54.795,36.1 55.38,36.1 55.95,36.67 R34B.2@56.46,36.67 57.36,37.57 R33B.1@58.3,37.57
NetR25_1: R25.1 R28.2 U1.12 | length 6.8
  Top Layer w0.3: U1.12@88.8,49.275 89.425,49.275 R28.2@91.9,46.8 ; R25.1@90.1,45.1 90.8,45.1 R28.2@92.2,46.5
NetR26_1: R26.1 U1.6 U1.7 | length 2.2
  Top Layer w0.3: R26.1@86.475,44.702 U1.6@86.475,46.3 U1.7@87.125,46.3
NetR29_1: R29.1 R31.2 U1.16 | length 1.4
  Top Layer w0.3: R31.2@85.67,51.7 cw(c85.296,51.326) 85.825,51.326 U1.16@85.825,50.3
  other v1: 85.7,50.3
NetR30_2: R30.2 R32.2 U1.1 | length 2.7
  Top Layer w0.2: v1(82.47,48.6) 82.47,48.77 83.012,49.312 84.014,49.312 84.026,49.3 84.775,49.3 U1.1@84.8,49.275
NetR35A_2: R35A.2 R36A.1 R37A.2 | length 3
  Bottom Layer w0.3: R35A.2@50.24,54.5 53.07,54.5 R36A.1@53.17,54.6
NetR35B_2: R35B.2 R36B.1 R37B.2 | length 4.1
  Bottom Layer w0.3: R35B.2@54.27,39.2 58.088,39.2 ccw(c58.088,39.542) 58.095,39.2 ccw(c58.088,39.542) R36B.1@58.33,39.3
NetR43_2: R43.2 R48.1 R52.2 R57.1 | length 3.7
  Top Layer w0.3: R48.1@91.367,60.165 93.2,60.165 ccw(c93.2,60.967) 93.767,60.4 R57.1@94.676,61.309
NetR44_2: R44.2 R48.2 R49.1 R53.2 | length 2.2
  Top Layer w0.3: R49.1@88.267,60.165 R48.2@90.427,60.165
NetR45_2: R45.2 R49.2 R50.1 R54.2 | length 2.3
  Top Layer w0.3: R50.1@85.051,60.165 R49.2@87.327,60.165
NetR46_2: R46.2 R50.2 R51.2 R55.2 | length 2.6
  Top Layer w0.3: R51.2@81.469,60.16 81.473,60.165 R50.2@84.111,60.165
NetR47_2: R47.2 R51.1 R56.2 R58.1 | length 4.6
  Top Layer w0.3: R58.1@76.219,61.009 76.728,60.5 ; 76.728,60.499 ccw(c77.548,61.32) 77.548,60.16 R51.1@80.529,60.16
PD_IN: C47.2 IC4.2 R18.2 R19.2 | length 33.1
  Top Layer w0.3: C47.2@52.975,59.747 C47.2@52.975,59.647 52.975,58.025 ccw(c53.3,58.025) 53.3,57.7 64.817,57.7 cw(c64.817,57.017) 65.3,57.5 ccw(c66.024,58.224) 66.024,57.2 71.376,57.2 cw(c71.376,56.176) 72.1,56.9 ccw(c73.066,57.866) 73.066,56.5 76.051,56.5 ccw(c76.051,58.549) 77.5,57.1 cw(c78.707,55.893) 78.707,57.6 ; 78.807,57.6 IC4.2@83.675,57.6
Q0_N: C105.1 IC13.11 R94.1 | length 2.2
  Bottom Layer w0.3: C105.1@103.9,50.1 103.93,50.07 R94.1@104.8,50.07 105.31,50.07 105.49,50.25 IC13.11@106.05,50.25
Q0_P: C102.1 IC13.12 R92.2 | length 2.2
  Bottom Layer w0.3: C102.1@103.9,50.9 103.93,50.93 R92.2@104.8,50.93 105.31,50.93 105.49,50.75 IC13.12@106.05,50.75
Q1_N: C108.1 IC13.6 R97.1 | length 5.5
  Bottom Layer w0.3: C108.1@103.95,46.1 103.98,46.07 R97.1@104.8,46.07 106.37,46.07 107.75,47.45 IC13.6@107.75,48.55
Q1_P: C107.1 IC13.7 R95.2 | length 4.4
  Bottom Layer w0.3: C107.1@103.95,46.9 103.98,46.93 R95.2@104.8,46.93 104.83,46.9 106.3,46.9 107.25,47.85 IC13.7@107.25,48.55
QBB_N: C46.1 IC11.9 R71.1 R73.2 | length 5.5
  Top Layer w0.3: IC11.9@95.16,51.98 R71.1@95.16,53.14 ; R71.1@95.43,53.33 95.43,53.99 95.26,54.16 95.26,54.5 cw(c95.66,54.5) 95.66,54.9 96.4,54.9 96.603,54.697 C46.1@97.106,54.697 97.986,54.697 R73.2@98.036,54.647
QBB_P: C46.2 IC11.10 R69.2 R71.2 | length 6.4
  Top Layer w0.3: R71.2@94.49,53.33 94.49,53.99 94.66,54.16 94.66,54.5 cw(c95.66,54.5) 95.66,55.5 96.499,55.5 96.596,55.597 C46.2@97.106,55.597 97.156,55.647 R69.2@98.036,55.647 ; IC11.10@94.66,51.98 R71.2@94.66,53.16
QH_N: R13A.1 R24A.2 R99.2 | length 1.2
  Bottom Layer w0.3: R24A.2@72.73,51.3 72.77,51.34 R13A.1@72.77,52.2 R99.2@72.77,52.5
QH_P: R8A.1 R9A.1 R16A.2 R98.2 | length 3
  Bottom Layer w0.3: R8A.1@70.07,54 70.5,54 R16A.2@71.3,54.8 ; R16A.2@71.5,54.83 71.67,55 72.53,55 R98.2@72.8,55.27
QHI_N: C90.1 R86.1 R89.2 R99.1 | length 4.1
  Top Layer w0.3: R89.2@71.727,50.062 71.848,50.062 71.848,50.111 C90.1@72.35,50.613 72.772,51.035 72.772,53.107 v1(73.132,53.468)